# KiCad board Warp-SE.kicad_pcb (continued)
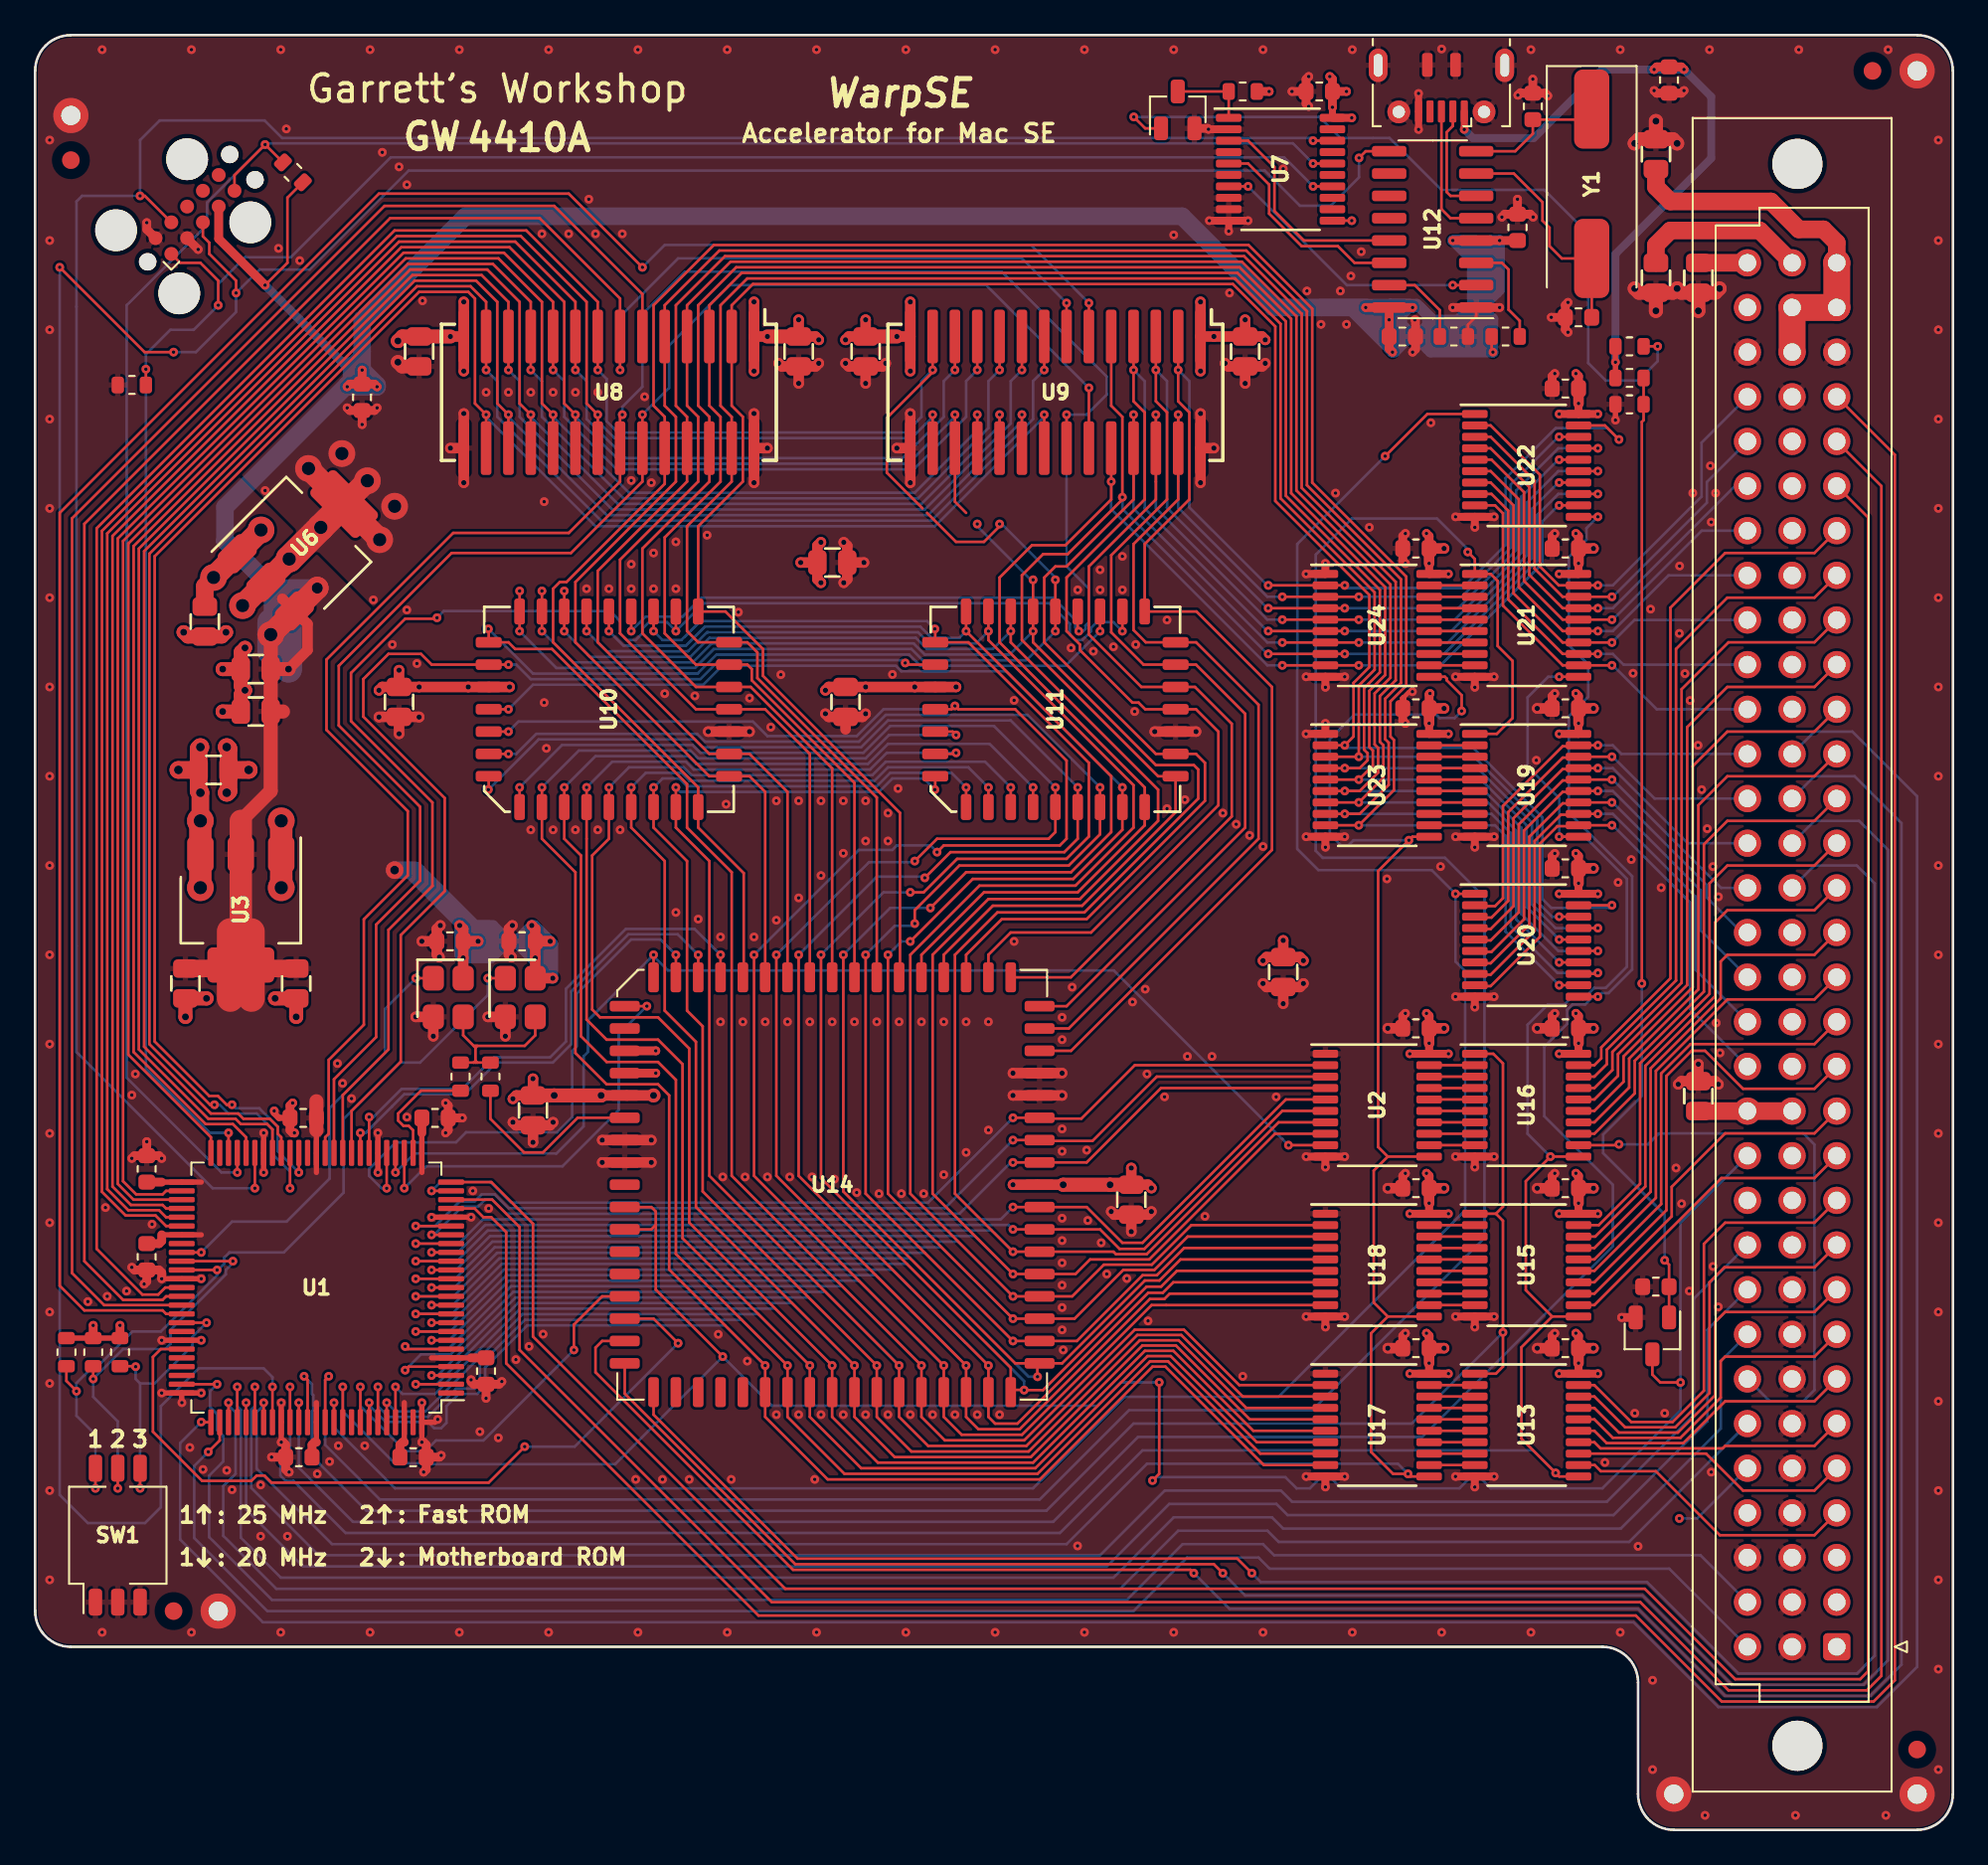
[diagram p0: board, top side]
## Routing (per net, layer and track width the routed paths; a pad name or vN(x,y) marks a point on that pad's centre or on a via; arc(x,y) is an arc through that point) (continued)
  Top w0.15: U1.32 v2(19,40.55) ; 38.99,48.38 v2(38.99,49.78)
  Bottom w0.15: v2(38.99,49.78) 37.52,51.25 33.6,51.25 30.2,47.85 30.2,44.85 29.3,43.95 26.1,43.95 24.3,42.15 20.85,42.15 19.25,40.55 v2(19,40.55)
/Control/Acc~{BERR}: length 44.2
  Top w0.15: 33.67,29.08 35.18,29.08 v2(36.58,27.69) ; U1.70 7.15,27.35 6.7,26.9 6.7,22.65 9.5,19.85 12.3,19.85 12.6,20.15 13.05,20.15 13.45,19.75 25.8,19.75 v2(27.85,21.8)
  Bottom w0.15: v2(27.85,21.8) 30.69,21.8 v2(36.58,27.69)
/Control/Acc~{DTACK}: length 23.8
  Top w0.15: U1.28 v2(21,36.5) ; v2(34.8,46.86) 33.67,46.86
  Bottom w0.15: v2(34.8,46.86) 33.2,45.26 33.2,40.95 30,37.75 22.25,37.75 v2(21,36.5)
/Control/Acc~{LDS}: length 32.3
  Top w0.15: U1.30 v2(20,36.5) ; 36.45,48.38 v2(36.45,49.78)
  Bottom w0.15: v2(20,36.5) 19.7,36.5 19,37.2 19,37.6 20.51,39.12 23.94,39.12 24.51,39.69 29.68,39.69 30.55,40.55 30.55,44.3 30.8,44.55 30.8,47.55 33.9,50.65 35.58,50.65 v2(36.45,49.78)
/Control/Acc~{UDS}: length 28.7
  Top w0.15: 37.72,48.38 v2(37.72,49.78) ; U1.33 v2(18.5,39.65)
  Bottom w0.15: v2(37.72,49.78) 36.55,50.95 33.75,50.95 30.5,47.7 30.5,44.7 29.45,43.65 26.25,43.65 24.45,41.85 21,41.85 20.3,41.16 20.3,41.15 18.8,39.65 v2(18.5,39.65)
/Control/Acc~{VPA}: length 23.8
  Top w0.15: U1.93 v2(18.5,25.2) ; 33.67,30.35 32.26,30.35 30.65,28.74 v2(30.65,27.3)
  Bottom w0.15: v2(18.5,25.2) 18.5,24.1 21.05,21.55 22.2,21.55 22.8,22.15 25.5,22.15 v2(30.65,27.3)
/Control/C8M: length 168.6
  Top w0.15: J1.A28 105.03,76.45 105.03,8.76 104.2,7.94 96.33,7.94 91.31,12.95 41.91,12.95 27.56,27.31 27.56,34.29 26,35.85 U1.23
/Control/C16M: length 173
  Top w0.15: U1.22 25,35.35 25.5,34.85 25.95,34.85 26.8,34.01 26.8,26.54 41.15,12.19 91.06,12.19 95.95,7.3 104.58,7.3 105.79,8.51 105.79,78.23 J1.A29
/Control/L~{WE}: length 94.2
  Top w0.15: U1.65 3.92,29.85 2.1,31.68 2.1,74.62 19.88,92.39 29.53,92.39 34.54,87.38 U8.6
/Control/MacE: length 164.4
  Top w0.15: U1.25 25.95,36.85 28.32,34.48 28.32,28.07 42.67,13.72 91.57,13.72 96.71,8.57 103.82,8.57 104.27,9.02 104.27,74.68 J1.A27
/Control/Mac~{AS}: length 106.3
  Top w0.15: U1.81 v2(12.5,25.2)
  Bottom w0.15: J1.C10 94.36,30.23 94.36,23.62 89.41,18.67 71.5,18.67 70.87,19.3 64.26,19.3 60.58,15.62 16.13,15.62 12.3,19.45 12.3,23.9 12.5,24.1 v2(12.5,25.2)
/Control/Mac~{BERR}: length 170.1
  Top w0.15: v2(9.45,23.2) 9.46,23.19 U1.76
  Bottom w0.15: v2(9.45,23.2) 8.25,22 8.25,16.52 12.95,11.81 90.93,11.81 95.76,6.99 104.78,6.99 107.06,9.27 107.06,58.8 103.38,62.48 101.22,62.48 J1.B21
/Control/Mac~{DTACK}: length 101.5
  Top w0.15: U1.78 v2(11,24.3)
  Bottom w0.15: J1.C6 90.68,16.38 70.74,16.38 70.1,17.02 65.02,17.02 61.72,13.72 13.72,13.72 10.7,16.73 10.7,19.55 11.4,20.25 11.4,23.75 11,24.15 v2(11,24.3)
/Control/Mac~{LDS}: length 105.8
  Top w0.15: U1.79 v2(11.5,25.2)
  Bottom w0.15: J1.C8 95.88,26.67 95.88,22.83 90.2,17.15 70.99,17.15 70.36,17.78 64.77,17.78 61.34,14.35 13.97,14.35 11.7,16.62 11.7,23.9 11.5,24.1 v2(11.5,25.2)
/Control/Mac~{UDS}: length 104
  Top w0.15: U1.80 v2(12,24.3)
  Bottom w0.15: v2(12,24.3) 12,18.23 15.24,14.99 60.96,14.99 64.52,18.54 70.61,18.54 71.25,17.91 89.79,17.91 95.12,23.24 95.12,28.45 J1.C9
/Control/Mac~{VMA}: length 103.2
  Top w0.15: U1.74 v2(10.35,25.35)
  Bottom w0.15: J1.C2 94.74,15.62 70.48,15.62 69.85,16.26 65.28,16.26 62.1,13.08 13.47,13.08 9.9,16.65 9.9,20.15 10.7,20.95 10.7,22.4 10.35,22.75 10.35,23.65 9.95,24.05 9.95,24.95 v2(10.35,25.35)
/Control/Mac~{VPA}: length 100.6
  Top w0.15: U1.77 10.5,22.15 v2(9.85,21.5)
  Bottom w0.15: v2(9.85,21.5) 9.05,20.7 9.05,16.61 13.21,12.45 62.48,12.45 65.53,15.49 69.6,15.49 70.23,14.86 92.96,14.86 J1.C1
/Control/RA0: length 110.4
  Top w0.15: U1.53 5.6,35.85 4.7,36.75 4.7,73.47 20.95,89.73 26.67,89.73 29.46,86.93 v2(29.46,83.06) ; U9.11 v2(53.59,83.06)
  Bottom w0.15: v2(53.59,83.06) 52.96,82.42 52.96,80.39 49.97,77.41 33.08,77.41 30.1,80.39 30.1,82.42 v2(29.46,83.06)
/Control/RA1: length 108.2
  Top w0.15: 54.86,84.96 v2(54.86,83.06) ; U1.50 10,39.4 5.3,44.1 5.3,73.18 21.21,89.09 26.03,89.09 28.19,86.93 U8.11 v2(28.19,83.06)
  Bottom w0.15: v2(54.86,83.06) 54.23,82.42 54.23,79.76 50.23,75.76 33.46,75.76 28.83,80.39 28.83,82.42 v2(28.19,83.06)
/Control/RA2: length 111.6
  Top w0.15: U9.9 v2(56.13,83.06) ; v2(26.92,83.06) 26.92,86.93 25.4,88.46 21.46,88.46 5.9,72.89 5.9,44.4 9.85,40.45 11.4,40.45 11.7,40.15 13.2,40.15 13.5,39.85 U1.43
  Bottom w0.15: v2(56.13,83.06) 55.5,82.42 55.5,80.01 50.61,75.12 32.83,75.12 27.56,80.39 27.56,82.42 v2(26.92,83.06)
/Control/RA3: length 115.6
  Top w0.15: U9.8 v2(57.4,83.06) ; v2(25.65,83.06) U8.13 25.65,86.93 24.76,87.82 21.72,87.82 6.5,72.6 6.5,44.7 9.95,41.25 v2(10.2,41.25) ; U1.41 v2(14.5,36.5)
  Bottom w0.15: v2(57.4,83.06) 56.77,82.42 56.77,80.26 50.99,74.49 32.19,74.49 26.29,80.39 26.29,82.42 v2(25.65,83.06) ; v2(14.5,36.5) 14.5,37.45 13.5,38.45 13.5,39.85 12.6,40.75 11,40.75 10.5,41.25 v2(10.2,41.25)
/Control/RA4: length 113.3
  Top w0.15: U8.16 v2(25.65,80.52) 25.02,81.15 25.02,87.12 24.64,87.5 21.84,87.5 6.8,72.46 6.8,44.85 9.9,41.75 10.4,41.75 10.9,41.25 v2(11.2,41.25) ; U1.40 v2(15,37.4) ; U9.21 v2(57.4,80.52)
  Bottom w0.15: v2(11.2,41.25) 11.4,41.05 12.75,41.05 13.8,40 13.8,38.6 v2(15,37.4) ; v2(25.65,80.52) 25.65,80.39 31.88,74.17 51.18,74.17 57.4,80.39 v2(57.4,80.52)
/Control/RA5: length 110.9
  Top w0.15: 26.92,78.61 v2(26.92,80.52) 26.29,81.15 26.29,86.93 25.08,88.14 21.59,88.14 6.2,72.75 6.2,44.55 10,40.75 11.55,40.75 11.85,40.45 13.35,40.45 13.8,40 13.8,39.6 14,39.4 U1.42 ; U9.20 v2(56.13,80.52)
  Bottom w0.15: v2(26.92,80.52) 26.92,80.39 32.51,74.8 50.8,74.8 56.13,80.14 v2(56.13,80.52)
/Control/RA6: length 109.1
  Top w0.15: U8.18 v2(28.19,80.52) 27.56,81.15 27.56,86.93 25.72,88.77 21.34,88.77 5.6,73.04 5.6,44.25 9.7,40.15 11.25,40.15 12,39.4 U1.46 ; 54.86,78.61 v2(54.86,80.52)
  Bottom w0.15: v2(28.19,80.52) 28.19,80.39 33.15,75.44 50.42,75.44 54.86,79.88 v2(54.86,80.52)
/Control/RA7: length 110.6
  Top w0.15: U9.18 v2(53.59,80.52) ; 29.46,78.61 v2(29.46,80.52) 28.83,81.15 28.83,86.93 26.35,89.41 21.08,89.41 5,73.33 5,36.9 5.75,36.15 7.25,36.15 7.45,36.35 U1.52
  Bottom w0.15: v2(53.59,80.52) 53.59,79.63 50.04,76.07 33.78,76.07 29.46,80.39 v2(29.46,80.52)
/Control/RA8: length 113.7
  Top w0.15: v2(52.32,80.52) U9.17 52.32,75.57 52.96,74.93 ; U8.20 v2(30.73,80.52) 30.1,81.15 30.1,86.93 26.99,90.04 20.83,90.04 4.4,73.61 4.4,36.6 5.45,35.55 7.25,35.55 7.45,35.35 U1.54
  Bottom w0.15: v2(52.32,80.52) 52.32,80.39 49.66,77.72 33.4,77.72 30.73,80.39 v2(30.73,80.52)
/Control/RA9: length 110
  Top w0.15: U9.16 v2(51.05,80.52) ; U8.21 v2(32,80.52) 31.37,81.15 31.37,86.93 27.62,90.68 20.57,90.68 3.8,73.9 3.8,36.3 5.15,34.95 6.85,34.95 7.45,34.35 U1.56
  Bottom w0.15: v2(51.05,80.52) 51.05,80.39 49.85,79.18 32.96,79.18 32,80.14 v2(32,80.52)
/Control/RA10: length 111.1
  Top w0.15: v2(30.73,83.06) U8.9 30.73,86.93 27.31,90.36 20.7,90.36 4.1,73.76 4.1,36.45 5.3,35.25 7.05,35.25 7.45,34.85 U1.55 ; U9.12 v2(52.32,83.06)
  Bottom w0.15: v2(52.32,83.06) 51.69,82.42 51.69,80.39 49.34,78.04 33.59,78.04 31.37,80.26 31.37,82.42 v2(30.73,83.06)
/Control/RA11: length 124.5
  Top w0.15: v2(32,83.06) U8.8 32,86.93 27.94,91 20.45,91 3.5,74.05 3.5,33.05 6.1,30.45 7,30.45 7.4,30.85 U1.63 ; U9.13 v2(51.05,83.06) 51.05,82.93 48.45,80.33 48.45,77.22 50.48,75.18
  Bottom w0.15: v2(32,83.06) 32.51,82.55 32.51,80.14 33.15,79.5 49.53,79.5 50.42,80.39 50.42,82.42 v2(51.05,83.06)
/Control/ROM~{CS}: length 83.4
  Top w0.15: U11.22 v2(61.85,68.2) ; U10.22 v2(36.45,68.2) ; U1.35 17.5,41.8 20.1,44.4 20.1,51.2 22.6,53.7 22.6,58.45 17.97,63.08 17.97,65.83 21.05,68.9 22.8,68.9 v2(22.86,68.96)
  Bottom w0.15: v2(61.85,68.2) 61.34,68.71 60.39,68.71 60.07,68.39 60.07,68.2 59.56,67.69 59.18,67.69 58.86,68.01 58.86,68.61 57.69,69.79 38.04,69.79 v2(36.45,68.2) 35.94,68.71 34.92,68.71 34.54,68.33 34.54,68.07 34.16,67.69 33.66,67.69 33.27,68.07 33.27,68.77 32.7,69.34 23.24,69.34 v2(22.86,68.96)
/Control/ROM~{WE}: length 65.3
  Top w0.15: U11.31 49.59,66.29 v2(49.5,66.39) ; v2(26.92,66.29) U10.31 22.56,66.29 21.95,66.9 20.1,66.9 18.67,65.47 18.67,63.33 23.3,58.7 23.3,53.4 20.8,50.9 20.8,43.7 18,40.9 U1.34
  Bottom w0.15: v2(26.92,66.29) 27.37,66.29 28.19,65.47 37.85,65.47 38.93,66.55 49.34,66.55 v2(49.5,66.39)
/Control/SW0: length 16
  Top w0.15: SW1.4 v2(5.97,19.43) ; R4.2 5.69,26.38 v2(5.71,26.35) ; v2(9.75,28.85) U1.67
  Bottom w0.15: v2(5.97,19.43) 5.97,25.4 ; 5.97,25.4 6.8,25.4 8.95,27.55 8.95,28.05 v2(9.75,28.85) ; 5.97,25.4 5.71,25.65 v2(5.71,26.35)
/Control/SW1: length 23
  Top w0.15: SW1.5 v2(4.7,19.43) ; U1.60 v2(11.25,32.35) ; v2(3.3,25.65) R3.2
  Bottom w0.15: v2(3.3,25.65) 3.3,24.64 4.7,23.24 v2(4.7,19.43) ; v2(3.3,25.65) 3.3,25.69 ; v2(3.3,25.65) 5,27.35 7.4,27.35 7.7,27.65 7.7,28.45 10.85,31.6 10.85,31.85 11.25,32.25 v2(11.25,32.35)
/Control/TCK: length 127.1
  Top w0.15: U1.48 v2(11,39.65) ; J2.1 8.25,89.15 9.4,89.15 10.41,88.14 v2(10.41,86.74) ; R16.1 v2(6.3,83.1) ; U7.14 v2(72.7,93.5)
  Bottom w0.15: v2(11,39.65) 9.95,39.65 6.3,43.3 6.3,83.95 7.69,85.34 9.02,85.34 v2(10.41,86.74) 10.41,87.95 11.94,89.47 14.54,89.47 20.22,95.15 71.05,95.15 v2(72.7,93.5)
/Control/TDI: length 141.9
  Top w0.15: U1.45 v2(12.5,36.5) ; J2.9 6.24,92.96 v2(5.97,92.96) ; U7.18 v2(72.7,96.1)
  Bottom w0.15: v2(72.7,96.1) 72.55,96.25 14.05,96.25 13.05,97.25 7.08,97.25 5.97,96.14 v2(5.97,92.96) 2.67,92.96 2.35,92.65 2.35,86.65 2.35,44.25 10.1,36.5 v2(12.5,36.5)
/Control/TMS: length 132
  Top w0.15: U1.47 v2(11.5,37.4) ; J2.5 11.34,94.14 v2(13.08,95.89) 14.1,94.87 ; U7.16 v2(72.7,94.8)
  Bottom w0.15: v2(11.5,37.4) 10.6,37.4 5.21,42.8 5.21,86.74 9.78,91.31 9.78,92.58 v2(13.08,95.89) 13.15,95.95 71.55,95.95 v2(72.7,94.8)
/Control/U~{WE}: length 123.2
  Top w0.15: U9.6 v2(59.94,86.87) ; U1.66 7.45,29.35 7.25,29.55 2.8,29.55 1.4,30.95 1.4,74.93 19.56,93.09 30.35,93.09 v2(34.54,88.9)
  Bottom w0.15: v2(59.94,86.87) 56.64,90.17 35.81,90.17 v2(34.54,88.9)
/Control/~{CAS}: length 92.8
  Top w0.15: v2(34.54,80.52) U8.23 34.54,76.71 30.48,72.64 23.69,72.64 17.27,66.23 17.27,62.83 21.9,58.2 21.9,54 19.4,51.5 19.4,45.1 17,42.7 U1.36 ; U9.23 v2(59.94,82.04)
  Bottom w0.15: v2(34.54,80.52) 36.07,82.04 36.07,84.46 39.5,87.88 54.1,87.88 v2(59.94,82.04)
/Control/~{OE}: length 141.2
  Top w0.15: U9.22 v2(58.67,80.52) ; v2(33.4,80.52) 33.27,80.39 U8.22 33.27,76.71 30.35,73.79 23.78,73.79 16.57,66.58 16.57,62.58 21.2,57.95 21.2,54.3 18.7,51.8 18.7,45.8 16.7,43.8 16.7,39.6 16.5,39.4 U1.37 ; U10.24 v2(33.91,68.2) ; v2(59.37,68.2) 59.31,68.26 U11.24
  Bottom w0.15: v2(33.91,68.2) 34.73,69.02 36.83,69.02 37.91,70.1 57.9,70.1 59.18,68.82 59.18,68.39 v2(59.37,68.2) 59.63,68.2 59.75,68.33 59.75,68.52 59.94,68.71 59.94,70.61 58.67,71.88 v2(58.67,80.52) 59.82,80.52 60.96,81.66 60.96,82.68 54.99,88.65 36.96,88.65 34.54,86.23 34.54,82.11 33.4,80.96 v2(33.4,80.52)
/Control/~{RAS}: length 124.9
  Top w0.15: v2(33.27,83.06) U8.7 33.27,87.12 28.7,91.69 20.19,91.69 2.8,74.3 2.8,32.35 5,30.15 7.25,30.15 7.45,30.35 U1.64 ; U9.7 v2(58.67,86.87)
  Bottom w0.15: v2(33.27,83.06) 33.27,86.11 36.58,89.41 56.13,89.41 v2(58.67,86.87)
/Control/~{RESET}: length 126.7
  Top w0.15: v2(63.56,19.88) 63.94,20.26 v2(63.94,25.46) ; U1.91 v2(17.5,25.2) ; 33.67,35.43 35.05,35.43 35.31,35.18 35.31,34.42 ; 35.31,34.42 35.05,34.16 33.67,34.16 ; 35.31,34.42 35.31,30.73 v2(39.12,26.92) ; Q2.3 92,25.9 92.45,25.45 v2(93.6,25.45)
  Bottom w0.15: v2(63.94,25.46) 61.75,25.46 60.42,24.13 41.91,24.13 v2(39.12,26.92) 33,20.8 22.35,20.8 22.3,20.85 20.45,20.85 17.5,23.8 v2(17.5,25.2) ; J1.C12 93.6,34.54 v2(93.6,25.45) 93.6,23.88 89.15,19.43 82.8,19.43 82.17,20.07 81.66,20.07 81.03,19.43 74.29,19.43 73.66,20.07 73.15,20.07 72.52,19.43 71.75,19.43 71.12,20.07 63.75,20.07 v2(63.56,19.88)
/MC68k/~{IPL}0: length 126.9
  Top w0.15: v2(69.22,14.61) 68.39,15.43 43.37,15.43 35.18,23.62 U14.27
  Bottom w0.15: v2(69.22,14.61) 69.72,14.1 91.69,14.1 96.9,8.89 103.63,8.89 104.65,9.91 104.65,53.85 103.63,54.86 101.22,54.86 J1.B18
/MC68k/~{IPL}1: length 133.8
  Top w0.15: U14.26 33.54,24.82 43.24,15.11 67.06,15.11 v2(67.56,14.61)
  Bottom w0.15: v2(67.56,14.61) 68.83,13.34 91.44,13.34 96.52,8.25 104.01,8.25 105.41,9.65 105.41,55.75 103.76,57.4 101.22,57.4 J1.B19
/MC68k/~{IPL}2: length 141.7
  Top w0.15: 33.67,27.81 32.26,27.81 31.88,27.43 31.88,26.04 43.12,14.8 65.72,14.8 v2(65.91,14.61)
  Bottom w0.15: J1.B20 101.22,59.94 103.5,59.94 106.17,57.28 106.17,9.4 104.39,7.62 96.14,7.62 91.19,12.57 67.94,12.57 v2(65.91,14.61)
/Prog/JTAG~{OE}: length 4.4
  Top w0.15: Q1.3 R8.2 U7.1
/Prog/TDO: length 182.5
  Top w0.15: U1.83 v2(13.5,25.2) ; v2(75.31,95.12) 75.69,95.5 U12.9 ; J2.3 9.54,90.66 9.91,90.3 9.91,89.66 11.43,88.14 v2(11.43,87.44) ; v2(7.87,84.07) 6.22,84.07 v2(1.4,88.9)
  Bottom w0.15: v2(1.4,88.9) 1.4,19.06 3,17.45 6.25,17.45 7.15,18.35 7.15,24.1 9.3,26.25 13,26.25 13.5,25.75 v2(13.5,25.2) ; v2(75.31,95.12) 75.31,94.02 73.7,92.4 71.95,92.4 69.95,94.4 21.25,94.4 15.62,88.77 12.76,88.77 v2(11.43,87.44) 11.43,86.36 9.14,84.07 v2(7.87,84.07)
/Prog/USB5V: length 38.5
  Top w0.3: R11.2 v2(89.9,83.5) R7.2
  Top w0.4: J3.1 v2(81.3,96.74)
  Top w0.5: v2(93.8,100.15) 93.65,100.3 C25.1 92.25,100.3 v2(92.1,100.15)
  Bottom w0.45: v2(89.9,83.5) 89.9,89.65 95.35,95.1 95.35,98.6 v2(93.8,100.15) ; v2(92.1,100.15) 89.15,100.15 85.25,96.25 81.79,96.25 v2(81.3,96.74)
  Bottom w0.5: v2(93.8,100.15) v2(92.1,100.15)
/Prog/UTCK: length 16.4
  Top w0.15: U12.2 v2(80.64,87.88) ; v2(69,93.5) U7.7
  Bottom w0.15: v2(80.64,87.88) 74.62,87.88 v2(69,93.5)
/Prog/UTDI: length 12.9
  Top w0.15: U12.13 72.18,90.42 70.5,92.1 70.5,94.6 69,96.1 U7.3
/Prog/UTMS: length 12.4
  Top w0.15: U12.14 75.06,89.15 74.11,90.1 72.05,90.1 70.2,91.95 70.2,93.6 69,94.8 U7.5
/RAMROM/B: length 47.8
  Top w0.15: v2(58.04,68.2) U11.25 v2(58.04,71.12) ; v2(27.56,68.2) U10.29 v2(27.56,70.49) ; 50.74,74.93 52.39,73.28 53.97,73.28 54.86,74.17 v2(54.86,74.3)
  Bottom w0.15: v2(27.56,68.2) 29.65,66.1 37.53,66.1 38.61,67.18 49.85,67.18 50.48,66.55 56.39,66.55 v2(58.04,68.2) ; v2(54.86,74.3) 54.99,74.3 58.04,71.25 v2(58.04,71.12)
Net-(C46-Pad1): length 8
  Top w0.15: Y1.1 87.95,97.3 C46.1 85.2,96.5 84.2,95.5 U12.8
Net-(C47-Pad1): length 13.2
  Top w0.15: U12.7 84.12,94.23 85.75,92.6 85.75,91.55 86.15,91.15 86.15,90.1 86.85,89.4 Y1.2 C47.1
Net-(C48-Pad1): length 56
  Top w0.15: v2(91.4,48.15) 91.4,80.1 91.5,80.2 R10.1 R11.1 ; Q2.1 92.95,32.15 v2(92.7,32.4)
  Bottom w0.15: v2(92.7,32.4) 92.7,35 89.2,38.5 89.2,39.55 91.4,41.75 v2(91.4,48.15)
Net-(J3-Pad2): length 6.5
  Top w0.15: 80.3,96.59 80.65,96.94 J3.2 ; U12.6 80.52,92.96 80.3,93.18 80.3,96.55
Net-(J3-Pad3): length 7.7
  Top w0.15: U12.5 80.52,91.69 80,92.21 J3.3
Net-(Q1-Pad1): length 44.2
  Top w0.15: R7.1 v2(92.3,84.4) ; Q1.1 63.15,96.8 v2(62.5,97.45)
  Bottom w0.15: v2(62.5,97.45) 73.05,97.45 74.25,96.25 77.05,96.25 80,93.3 85.85,93.3 88.35,90.8 88.35,83.45 89.35,82.45 91.2,82.45 92.3,83.55 v2(92.3,84.4)
Net-(R1-Pad1): length 9.9
  Top w0.15: U5.3 24.35,45.2 25.05,44.5 ; 25.05,44.5 25.15,44.6 ; 25.05,44.5 25.05,44.6 ; 25.05,44.5 25.05,43.75 ; 25.15,44.6 27.85,44.6 28.45,45.2 U4.3 ; 25.15,44.6 25,44.6 ; 25.15,43.65 R1.1 ; 25.15,43.65 25.05,43.75 ; 25.15,43.65 25.05,43.65 ; 25.05,43.75 25.05,43.65 ; 25.05,43.75 24.95,43.65 ; 25.05,43.65 24.95,43.65 ; 24.95,43.65 R2.1
Net-(R5-Pad1): length 5
  Top w0.15: R5.1 79.91,86.46 78.49,87.88 U12.15
Net-(R9-Pad2): length 6.1
  Top w0.15: U12.3 83.44,89.15 83.82,88.77 83.82,86.49 84.45,85.85 R9.2
Net-(U13-Pad2): length 2.6
  Top w0.15: U17.19 U13.2
Net-(U13-Pad3): length 2.6
  Top w0.15: U13.3 U17.18
Net-(U13-Pad4): length 2.6
  Top w0.15: U17.17 U13.4
Net-(U13-Pad5): length 2.6
  Top w0.15: U13.5 U17.16
Net-(U13-Pad6): length 2.6
  Top w0.15: U17.15 U13.6
Net-(U13-Pad7): length 2.6
  Top w0.15: U13.7 U17.14
Net-(U13-Pad8): length 2.6
  Top w0.15: U17.13 U13.8
Net-(U13-Pad9): length 2.6
  Top w0.15: U13.9 U17.12
Net-(U15-Pad2): length 2.6
  Top w0.15: U18.19 U15.2
Net-(U15-Pad3): length 2.6
  Top w0.15: U15.3 U18.18
Net-(U15-Pad4): length 2.6
  Top w0.15: U18.17 U15.4
Net-(U15-Pad5): length 2.6
  Top w0.15: U15.5 U18.16
Net-(U15-Pad6): length 2.6
  Top w0.15: U18.15 U15.6
Net-(U15-Pad7): length 2.6
  Top w0.15: U15.7 U18.14
Net-(U15-Pad8): length 2.6
  Top w0.15: U18.13 U15.8
Net-(U15-Pad9): length 2.6
  Top w0.15: U15.9 U18.12
Net-(U16-Pad2): length 2.6
  Top w0.15: U2.19 U16.2
Net-(U16-Pad3): length 2.6
  Top w0.15: U16.3 U2.18
Net-(U16-Pad4): length 2.6
  Top w0.15: U2.17 U16.4
Net-(U16-Pad5): length 2.6
  Top w0.15: U16.5 U2.16
Net-(U16-Pad6): length 2.6
  Top w0.15: U2.15 U16.6
Net-(U16-Pad7): length 2.6
  Top w0.15: U16.7 U2.14
Net-(U16-Pad8): length 2.6
  Top w0.15: U2.13 U16.8
Net-(U16-Pad9): length 2.6
  Top w0.15: U16.9 U2.12
Net-(U19-Pad2): length 2.6
  Top w0.15: U23.19 U19.2
Net-(U19-Pad3): length 2.6
  Top w0.15: U19.3 U23.18
Net-(U19-Pad4): length 2.6
  Top w0.15: U23.17 U19.4
Net-(U19-Pad5): length 2.6
  Top w0.15: U19.5 U23.16
Net-(U19-Pad6): length 2.6
  Top w0.15: U23.15 U19.6
Net-(U19-Pad7): length 2.6
  Top w0.15: U19.7 U23.14
Net-(U19-Pad8): length 2.6
  Top w0.15: U23.13 U19.8
Net-(U19-Pad9): length 2.6
  Top w0.15: U19.9 U23.12
Net-(U21-Pad2): length 2.6
  Top w0.15: U24.19 U21.2
Net-(U21-Pad3): length 2.6
  Top w0.15: U21.3 U24.18
Net-(U21-Pad4): length 2.6
  Top w0.15: U24.17 U21.4
Net-(U21-Pad5): length 2.6
  Top w0.15: U21.5 U24.16
Net-(U21-Pad6): length 2.6
  Top w0.15: U24.15 U21.6
Net-(U21-Pad7): length 2.6
  Top w0.15: U21.7 U24.14
Net-(U21-Pad8): length 2.6
  Top w0.15: U24.13 U21.8
Net-(U21-Pad9): length 2.6
  Top w0.15: U21.9 U24.12
unconnected-(J1-PadC5): length 5.1
  Bottom w0.15: v2(93.54,17.72) 94.55,17.72 J1.C5

## Copper pours and planes (outline as drawn; the poured copper is in the pictures)
+3V3 on Top: 23,23.85 9,23.85 9,37.85 23,37.85
+3V3 on Top: 19.25,69.35 16.55,66.55 16.55,62.6 21.2,57.95 21.2,54.3 18.7,51.8 18.7,45.8 16.7,43.8 16.7,38.65 13.8,38.65 13.8,40 13.35,40.45 11.85,40.45 11.6,40.7 11.45,40.7 10.4,41.75 9.9,41.75 6.8,44.85 6.8,72.45 11.5,77.1
+5V on In2.Cu: 109.09,0 0.13,0 0.13,102.11 109.09,102.11
GND on Top: 109.09,0 0.13,0 0.13,102.11 109.09,102.11
GND on Bottom: 109.09,0 0.13,0 0.13,102.11 109.09,102.11
GND on In1.Cu: 109.09,0 0.13,0 0.13,102.11 109.09,102.11

## Text on the board
F.Silkscreen: : 25 MHz | : 20 MHz | : Fast ROM | : Motherboard ROM | 1 | 2 | 3 | Accelerator for Mac SE | 4410A | GW | Garrett’s Workshop | WarpSE
